# Altium PCB WL-MAIN.PcbDoc (part 1 of 4) (continued)
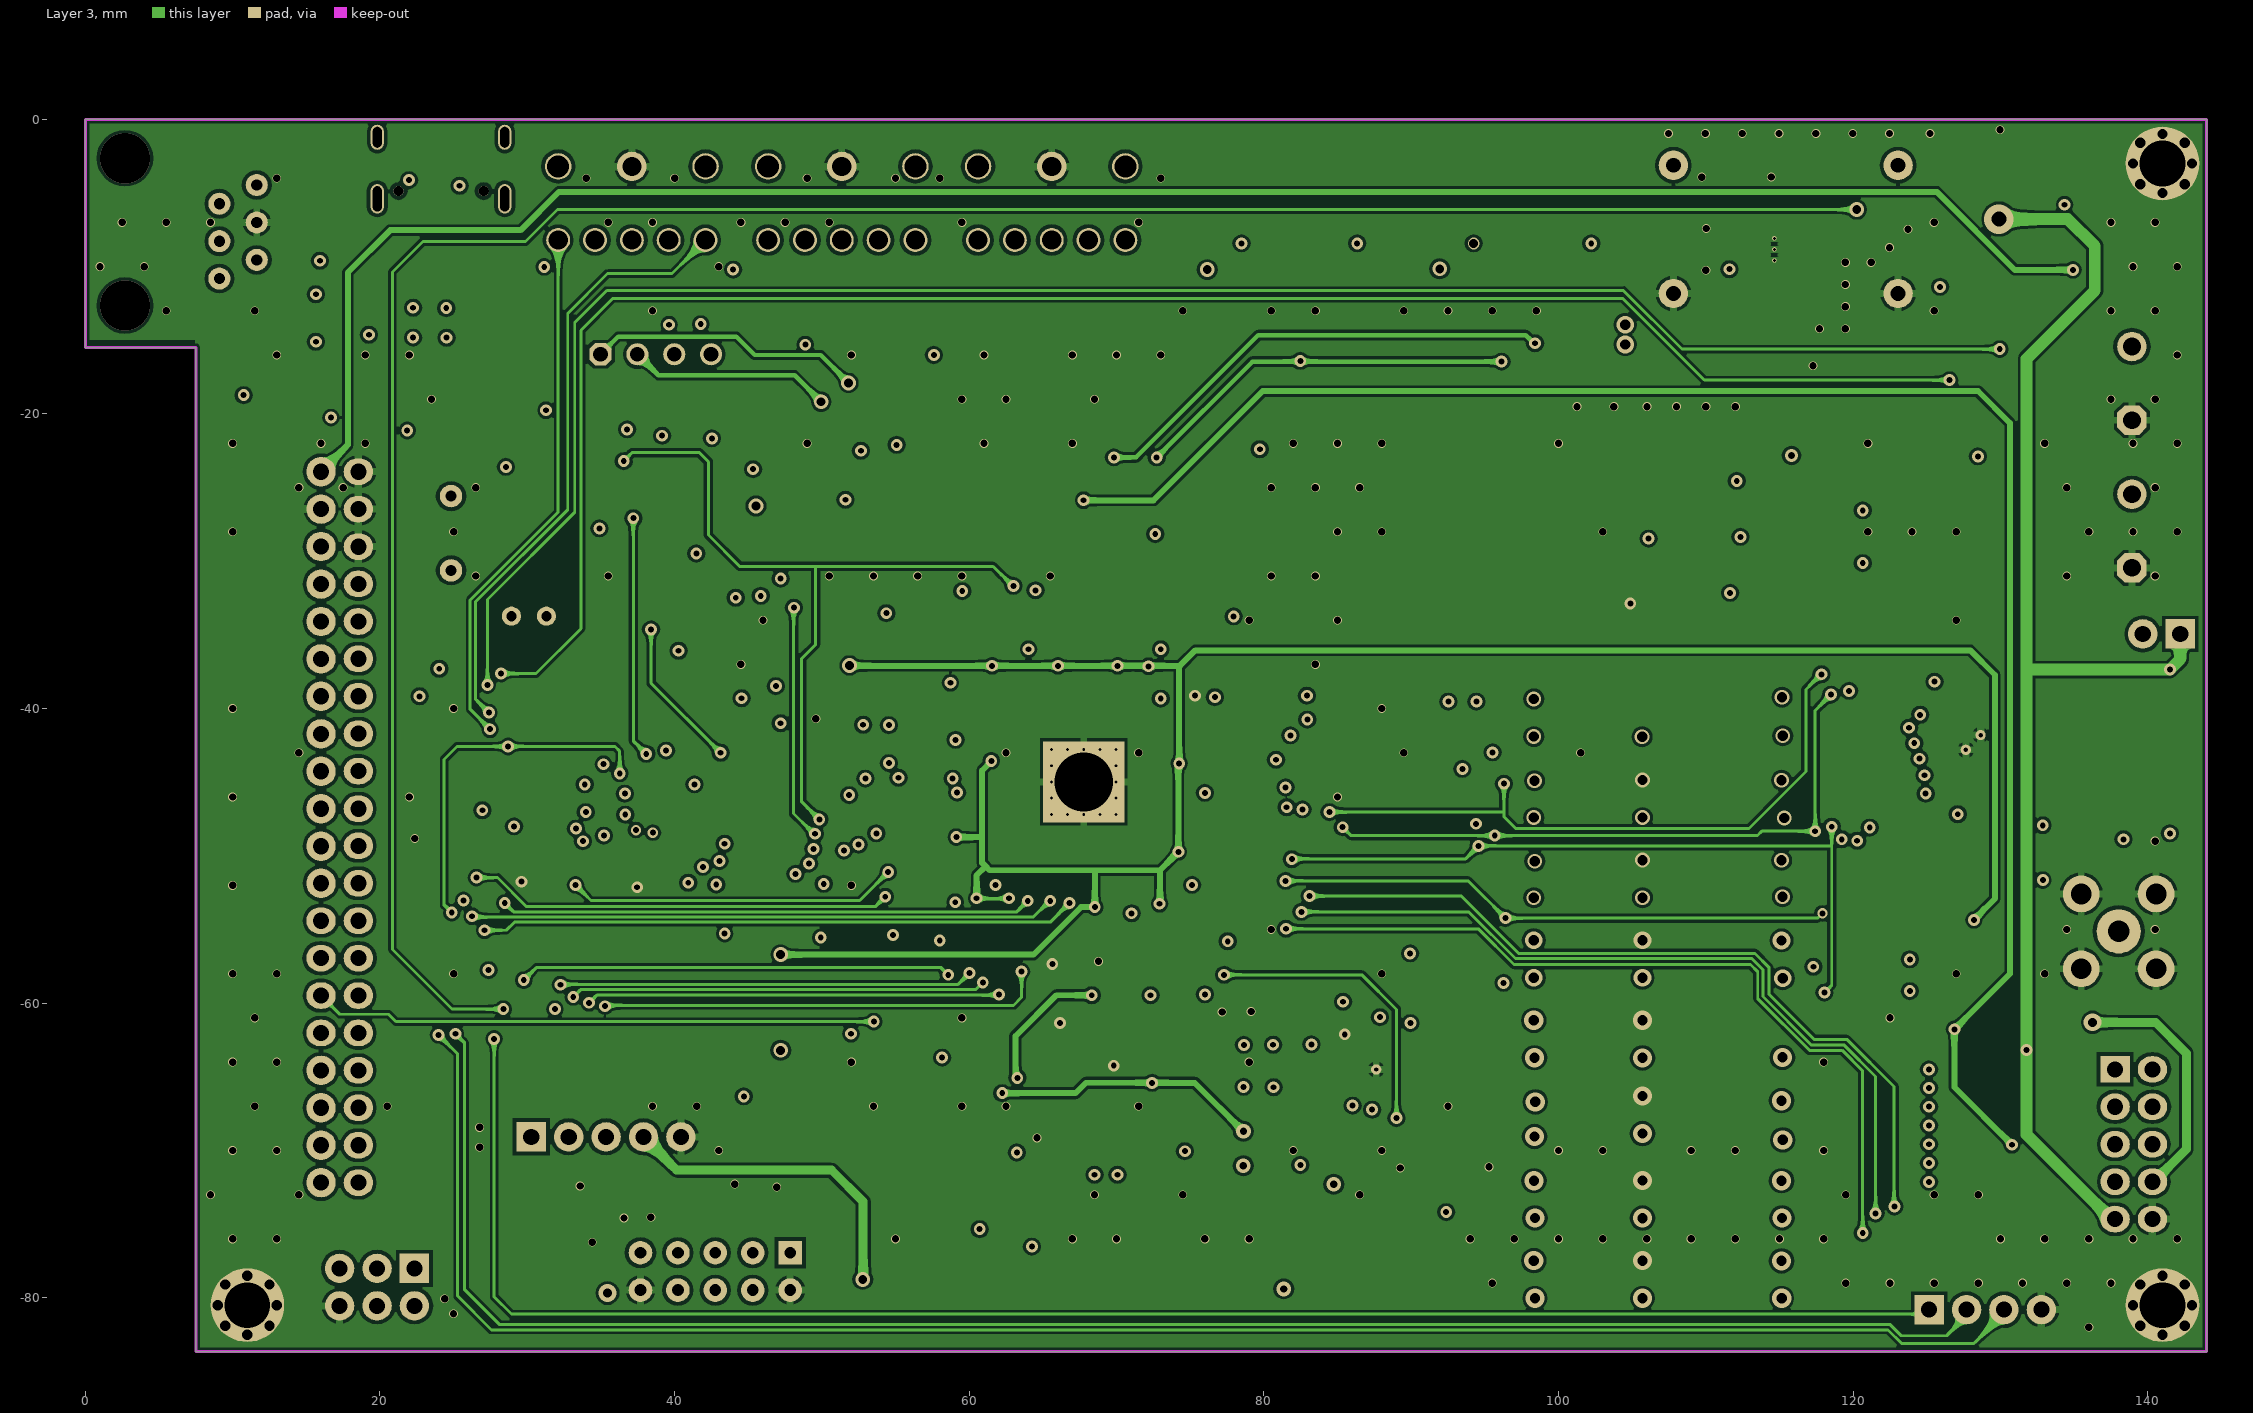
[diagram p3: Layer 3]

## Layer stack, top to bottom
Top Solder: solder mask 0.0102, Solder Resist, Dk 3.5
Top Layer: signal copper 0.035
Prepreg: prepreg 0.2, PP-006, Dk 4.1
Layer 2: signal copper 0.0175
Core: core 1.065, FR-4, Dk 4.8
Layer 3: signal copper 0.0175
Prepreg 2: prepreg 0.2, PP-006, Dk 4.1
Bottom Layer: signal copper 0.035
Bottom Solder: solder mask 0.0102, Solder Resist, Dk 3.5

## Board outline
0,-15.5 0,0 144,0 144,-83.65 7.5,-83.65 7.5,-15.5

## Design rules (kind name [scope] priority, off if disabled: settings)
BoardOutlineClearance [All] p1: gap=0.3 ignorepadtopadclearanceinfootprint=FALSE
Clearance POWER [InNetClass('POWER')] p1: gap=0.3 ignorepadtopadclearanceinfootprint=FALSE except(0: Arc-Hole Track-Hole SMDPad-Hole THPad-Hole Via-Hole Fill-Hole Poly-Hole Region-Hole Text-Hole)
Clearance Clearance_NPTH [All vs InPadClass('NPTH')] p2: gap=0.4 ignorepadtopadclearanceinfootprint=FALSE except(0: Arc-Hole Track-Hole SMDPad-Hole THPad-Hole Via-Hole Fill-Hole Poly-Hole Region-Hole Text-Hole)
Clearance Clearance_MultiLayerPad [OnLayer('Multi-Layer') and IsPad] p3: gap=0.25 ignorepadtopadclearanceinfootprint=FALSE except(0: Arc-Hole Track-Hole SMDPad-Hole THPad-Hole Via-Hole Fill-Hole Poly-Hole Region-Hole Text-Hole)
Clearance Clearance_Polygon [InPolygon] p4: gap=0.2 ignorepadtopadclearanceinfootprint=FALSE except(0: Arc-Hole Track-Hole SMDPad-Hole THPad-Hole Via-Hole Fill-Hole Poly-Hole Region-Hole Text-Hole)
Clearance [All] p5: gap=0.15 ignorepadtopadclearanceinfootprint=FALSE except(0: Arc-Hole Track-Hole SMDPad-Hole THPad-Hole Via-Hole Fill-Hole Poly-Hole Region-Hole Text-Hole)
Height [All] p1: minheight=0 maxheight=60 prefheight=12.7
HoleSize [All] p1: absolutevalues=TRUE maxlimit=5 minlimit=0.025 maxpercent=80.000 minpercent=20.000
HoleToHoleClearance [All] p1: gap=0.2 allowstackedmicrovias=TRUE
MinimumSolderMaskSliver [All] p1: minsoldermaskwidth=0.05
PlaneClearance [All] p1: clearance=0.5
PlaneConnect [All] p1: planeconnectstyle=Relief reliefexpansion=0.5 reliefentries=4 reliefconductorwidth=0.3 reliefairgap=0.2
PolygonConnect PolygonConnect_PowerPAD [All vs InPadClass('PowerPAD')] p1: connectstyle=Relief reliefconductorwidth=1 reliefentries=4 polygonreliefangle="90 Angle" airgapwidth=0.3
PolygonConnect PolygonConnect_PadGND [InNet('GND') and IsPad] p2: connectstyle=Relief reliefconductorwidth=0.5 reliefentries=4 polygonreliefangle="90 Angle" airgapwidth=0.2
PolygonConnect PolygonConnect_Via [IsVia] p3: connectstyle=Direct reliefconductorwidth=0.254 reliefentries=4 polygonreliefangle="90 Angle" airgapwidth=0.254
PolygonConnect [All] p4: connectstyle=Relief reliefconductorwidth=0.6 reliefentries=4 polygonreliefangle="90 Angle" airgapwidth=0.3
RoutingVias [All] p1: holewidth=0.3 width=0.7 viastyle="Through Hole" minholewidth=0.3 minwidth=0.6 maxholewidth=3.2 maxwidth=5
SilkToSilkClearance [All] p1: silktosilkclearance=0
SilkToSolderMaskClearance [IsPad] p1: minsilkscreentomaskgap=0.05 clearancetoexposedcopper=FALSE
SolderMaskExpansion [All] p1: expansion=0.075 istentingtop=FALSE
SupplyNets "Schematic Supply Nets_11" [InNet('+1.2V')] p1: voltage=0.000
SupplyNets "Schematic Supply Nets_10" [InNet('+5VAD')] p2: voltage=0.000
SupplyNets "Schematic Supply Nets_9" [InNet('POWER-ON')] p3: voltage=0.000
SupplyNets "Schematic Supply Nets_8" [InNet('+2.5V')] p4: voltage=0.000
SupplyNets "Schematic Supply Nets_7" [InNet('GND')] p5: voltage=0.000
SupplyNets "Schematic Supply Nets_6" [InNet('+5V')] p6: voltage=0.000
SupplyNets "Schematic Supply Nets_5" [InNet('+8Power')] p7: voltage=0.000
SupplyNets "Schematic Supply Nets_4" [InNet('+3.3DAC')] p8: voltage=0.000
SupplyNets "Schematic Supply Nets_3" [InNet('+5DAC')] p9: voltage=0.000
SupplyNets "Schematic Supply Nets_2" [InNet('+3.3V')] p10: voltage=0.000
SupplyNets "Schematic Supply Nets_1" [InNet('+DAC')] p11: voltage=0.000
SupplyNets "Schematic Supply Nets" [InNet('+3.3VAD')] p12: voltage=0.000
Width [All] p1: maxlimit=10 minlimit=0.15 preferedwidth=0.2
22 further rules are at their usual default settings.

## Classes and differential pairs
component class Designator: C144 C145 C146 C147 C148 C149 C150 C151 C152 C153 C154 C155 C156 C157 C158 C159 C160 C161 C162 C163 C164 C165 C166 C167 C168 C169 C170 C171 C172 C173 C174 C176 C177 C178 C179 C180 C181 C182 C184 C193 C194 C195 L8 L9 L10 L11 L12 L13 L14 L15 L16 L17 L18 L19 L20 L21 L22 L23 L24 L25 L26 L27 L28 L29 L30 L31
component class Designator: C201 C202 C209 D3 J2 R40 R41 R42 R55 R56 R78 R79 R80 U13 U14 X6 X7 X10
component class Designator: C51 C52 C53 C54 C55 C56 C57 C58 C59 C60 C61 C64 C65 C66 C69 C71 C73 C74 C75 C189 C190 C205 C206 FB4 FB5 FB6 J1 J3 R27 R28 R29 R30 R31 R34 R35 R36 R61 R62 U7 U8 X4
component class U_WL-Power: C43 C44 C62 C63 C70 C83 C84 C85 C86 C87 C88 C89 C90 C91 C92 C93 C94 C95 C96 C97 C98 C99 C100 C101 C102 C103 C104 C105 C106 C107 C108 C109 C110 C111 C112 C114 C115 C116 C124 C125 C126 C127 C128 C129 C130 C131 C132 C134 C175 C199 C200 DA2 DA3 DA4 DA5 DA6 DA7 DA8 R32 R33 R37 R50 R51 R52 U19 U20 VD1 VD2 VT1 VT2 X3 X11
component class U_WL-FPGA: C203 C204 FB13 FB14 R9 R10 R59 R60 U2 U3 X2
component class U_WL-DAC904: C28 C29 C30 C31 C32 C33 C38 C39 C40 C41 C42 C45 C46 C47 C48 C49 C50 C118 C119 C120 C121 FB2 FB8 FB15 L5 L6 R15 R16 R17 R18 R19 R20 R21 R22 R24 R25 R26 R54 R57 R58 R72 R73 R74 R75 R77 R81 R82 R83 R84 R85 TR2 TR3 TR4 U5 U6 VT6 VT7
component class U_WL-ATT: C76 C77 C78 C79 C80 C81 C82 C197 C198 FB7 U9
component class U_WL-AD9226: C7 C8 C9 C10 C11 C12 C13 C14 C15 C16 C17 C18 C19 C20 C21 C22 C23 C24 C25 C26 C27 C34 C35 C36 C37 C68 C117 C122 C133 C196 C207 C208 DA9 FB1 FB3 L1 L2 L3 L4 R5 R6 R11 R12 R23 R43 R63 R64 R65 R66 R67 TR1 U4 U15 XG1
component class Designator: C1 C2 C3 C4 C5 C6 C123 C135 C187 D1 D2 FB11 FB12 J4 R1 R2 R3 R4 R7 R8 R76 U1 X1 X8 X12 Z1 Z2

## Components (designator, comment, footprint, x,y, rotation, side; value= is the part's Value field where it differs from the comment)
C1 "22p" CH0805C 22.475,-31.6 r90 bottom
C2 "22p" CH0805C 22.475,-26.6 r90 bottom
C3 "12p" CH0805C 30.05,-27.825 r0 bottom
C4 "12p" CH0805C 30.05,-30.125 r180 bottom
C5 "0.1" CH0805C 21.5,-54.25 r90 bottom
C6 "0.1" CH0805C 31.2,-52.275 r90 bottom
C7 "1000p" CH0805C 82.35,-59.95 r0 top
C8 "1000p" CH0805C 82.325,-57.725 r0 top
C9 "1uF" CH0805C 92.5,-70.575 r0 top
C10 "0.1" CH0805C 86.9,-69.95 r90 top
C11 "0.1" CH0805C 92.5,-61.175 r180 top
C12 "0.1" CH0805C 92.5,-58.9 r180 top
C13 "0.1" CH0805C 72.408,-69.045 r270 bottom
C14 "0.1" CH0805C 66.033,-69.045 r270 bottom
C15 "15p" CH0805C 76.553,-64.238 r90 bottom
C16 "10uF" CH0805C 69.3,-69.772 r180 bottom
C17 "0.1" CH0805C 69.3,-67.402 r180 bottom
C18 "10uF" CH0805C 63.239,-69.106 r90 top
C19 "0.1" CH0805C 63.239,-69.045 r270 bottom
C20 "10uF 10V" TANTAL_A#1 70.041,-61.195 r270 bottom
C21 "0.1" CH0805C 74.667,-69.045 r270 bottom
C22 "0.1" CH0805C 63.275,-64.007 r270 bottom
C23 "0.01" CH0805C 72.408,-60.495 r90 bottom
C24 "0.1" CH0805C 71.533,-75.388 r270 top
C25 "0.1" CH0805C 72.408,-64.332 r270 bottom
C26 "0.01" CH0805C 60.75,-64.007 r270 bottom
C27 "10uF 10V" TANTAL_A#1 66.233,-61.195 r90 bottom
C28 "0.1" CH0805C 100,-15.375 r90 bottom
C29 "1uF" CH0805C 73.658,-19.725 r90 top
C30 "0.1" CH0805C 71.525,-19.725 r90 top
C31 "1uF" CH0805C 77.925,-19.725 r90 top
C32 "0.1" CH0805C 92.011,-15.375 r90 bottom
C33 "0.1" CH0805C 113.375,-30.633 r0 bottom
C34 "1u" CH0805C 57.175,-79.7 r90 top
C35 "10n" CH0805C 63.275,-79.7 r270 top
C36 "10uF 10V" TANTAL_A#2 64.275,-74.9 r90 top
C37 "0.1" CH0805C 51.295,-70.2 r90 top
C38 "22p" CH0805C 92.387,-31.533 r90 top
C39 "200p" CH0805C 94.589,-26.188 r270 top
C40 "22p" CH0805C 92.387,-26.161 r90 top
C41 "0.1" CH0805C 118.325,-25.55 r90 top
C42 "100p" CH0805C 91.462,-22.348 r0 top
C43 "10uF" CH1206C 116.175,-5.766 r180 bottom
C44 "0.1" CH0805C 117.551,-9.127 r270 bottom
C45 "1u" CH0805C 127.475,-31.125 r90 top
C46 "680p" CH0805C 125.3,-31.125 r90 top
C47 "1u" CH0805C 125.3,-25.55 r270 top
C48 "680p" CH0805C 127.475,-25.575 r270 top
C49 "0.1" CH0805C 108.6,-31.825 r180 bottom
C50 "470p" CH0805C 108.6,-27.331 r180 bottom
C51 "1n" CH0805C 54.762,-24.85 r90 top
C52 "1n" CH0805C 50.55,-24.85 r270 top
C53 "1uF" CH0805C 56.869,-24.85 r90 top
C54 "1uF" CH0805C 52.656,-24.85 r90 top
C55 "1uF" CH0805C 58.975,-24.85 r270 top
C56 "220uF" POLIMER-E 65.25,-17.425 r90 top
C57 "0.1" CH0805C 61.25,-24.85 r270 top
C58 "0.1" CH0805C 63.45,-24.85 r270 top
C59 "0.1" CH0805C 65.6,-24.85 r270 top
C60 "10uF 10V" TANTAL_B#1 30.325,-29.525 r180 top
C61 "0.1" CH0805C 29.55,-26.775 r180 top
C62 "3.3n" CH0805C 110.025,-6.255 r180 bottom
C63 "10uF" CH1206C 116.15,-12.43 r0 bottom
C64 "10uF 10V" TANTAL_B#2 38.2,-31.25 r270 bottom
C65 "10uF 10V" TANTAL_B#2 41.525,-31.25 r270 bottom
C66 "0.1" CH0805C 39.225,-25.425 r90 bottom
C67 "0.1" CH0805C 124.825,-52.642 r0 bottom
C68 "0.1" CH0805C 54.305,-73.975 r270 bottom
C69 "0.1" CH0805C 34.9,-25.425 r90 bottom
C70 "0.1" CH0805C 111.678,-12.602 r180 bottom
C71 "1uF 10V" TANTAL_A#1 48.65,-12.175 r90 bottom
C73 "1uF 10V" TANTAL_A#1 36.975,-12.175 r90 bottom
C74 "1uF 10V" TANTAL_A#1 56,-12.175 r90 bottom
C75 "220p" CH0805C 46.025,-12.875 r270 bottom
C76 "0.1" CH0805C 137.325,-48.85 r180 bottom
C77 "100p" CH0805C 132.075,-49.875 r180 top
C78 "0.1" CH0805C 128.15,-49.925 r0 top
C79 "0.1" CH0805C 122.8,-49.1 r90 top
C80 "0.1" CH0805C 119.025,-35.3 r270 top
C81 "0.1" CH0805C 121.275,-35.3 r270 top
C82 "0.1" CH0805C 125.075,-49.1 r90 top
C83 "0.1" CH0805C 70,-40.15 r270 bottom
C84 "0.1" CH0805C 65.75,-40.15 r270 bottom
C85 "0.1" CH0805C 61.425,-40.15 r270 bottom
C86 "0.1" CH0805C 67.856,-40.15 r270 bottom
C87 "0.1" CH0805C 63.569,-40.15 r270 bottom
C88 "0.1" CH0805C 76.062,-15.375 r270 bottom
C89 "0.1" CH0805C 78.45,-15.375 r270 bottom
C90 "0.1" CH0805C 80.837,-15.375 r270 bottom
C91 "0.1" CH0805C 40.679,-72.048 r270 bottom
C92 "0.1" CH0805C 62.675,-47.625 r0 bottom
C93 "0.1" CH0805C 38.369,-72.048 r270 bottom
C94 "0.1" CH0805C 36.059,-72.048 r270 bottom
C95 "0.1" CH0805C 73.15,-41.075 r180 bottom
C96 "0.1" CH0805C 37.333,-39.575 r90 bottom
C97 "0.1" CH0805C 67.856,-50.675 r90 bottom
C98 "0.1" CH0805C 39.492,-39.575 r90 bottom
C99 "0.1" CH0805C 70,-50.675 r90 bottom
C100 "0.1" CH0805C 41.65,-39.575 r90 bottom
C101 "0.1" CH0805C 72.175,-50.675 r90 bottom
C102 "0.1" CH0805C 46.125,-43.675 r270 bottom
C103 "0.1" CH0805C 65.75,-50.625 r90 bottom
C104 "0.1" CH0805C 66.25,-34.125 r90 bottom
C105 "0.1" CH0805C 88.575,-15.375 r270 bottom
C106 "0.1" CH0805C 73.125,-47.625 r180 bottom
C107 "0.1" CH0805C 86.325,-15.375 r270 bottom
C108 "0.1" CH0805C 73.15,-45.425 r180 bottom
C109 "0.1" CH0805C 84.1,-15.375 r270 bottom
C110 "0.1" CH0805C 62.675,-45.425 r0 bottom
C111 "0.1" CH0805C 68.575,-34.125 r90 bottom
C112 "10uF 10V" TANTAL_B#2 27.05,-72.025 r180 bottom
C114 "10uF 10V" TANTAL_B#1 90.807,-5.125 r90 top
C115 "10uF 10V" TANTAL_B#1 86.308,-5.125 r90 top
C116 "10uF 10V" TANTAL_B#1 78.45,-5.125 r90 top
C117 "470p" CH0805C 65.625,-79.7 r270 top
C118 "1u" CH0805C 113.375,-28.341 r0 bottom
C119 "470p" CH0805C 113.375,-26.016 r0 bottom
C120 "0.1" CH0805C 86.734,-31.644 r270 top
C121 "100p" CH0805C 94.589,-31.555 r270 top
C122 "470pF" CH0805C 92.5,-68.25 r180 top
C123 "1uF 10V" TANTAL_A#1 45.425,-49.925 r270 bottom
C124 "10uF 10V" TANTAL_B#1 88.717,-79.7 r270 top
C125 "10uF 10V" TANTAL_B#1 98.75,-5.125 r90 top
C126 "10uF 10V" TANTAL_B#1 94.232,-5.125 r90 top
C127 "10uF 10V" TANTAL_B#1 102.225,-5.125 r90 top
C128 "10uF 10V" TANTAL_B#1 81.35,-79.7 r270 top
C129 "10uF 10V" TANTAL_B#1 85.033,-79.7 r270 top
C130 "10uF 10V" TANTAL_B#1 75.058,-5.125 r90 top
C131 "10uF 10V" TANTAL_B#1 82.883,-5.125 r90 top
C132 "10uF 10V" TANTAL_B#1 92.4,-79.7 r270 top
C133 "0.1" CH0805C 54.305,-78.173 r90 bottom
C134 "10uF 16V" POLIMER-D 109.4,-17.1 r0 top
C135 "0.1" CH0805C 29.025,-56 r90 bottom
C136 "0.1" CH0805C 112.475,-54.15 r180 bottom
C137 "0.1" CH0805C 100.6,-37.725 r90 bottom
C138 "0.1" CH0805C 100.975,-48.6 r0 bottom
C139 "0.1" CH0805C 89.5,-46.158 r180 bottom
C140 "0.1" CH0805C 85.15,-54.025 r270 bottom
C141 "0.1" CH0805C 121.375,-36.35 r0 bottom
C142 "0.1" CH0805C 87.35,-54.025 r270 bottom
C143 "0.1" CH0805C 121.325,-34.15 r0 bottom
C144 "150p" CH0805C 110.55,-72.992 r270 top
C145 "33p" CH0805C 110.55,-62.15 r270 top
C146 "220p" CH0805C 110.55,-78.475 r270 top
C147 "75p" CH0805C 110.55,-67.6 r270 top
C148 "200p" CH0805C 108.275,-72.992 r270 top
C149 "56p" CH0805C 108.275,-62.15 r270 top
C150 "330p" CH0805C 108.275,-78.475 r270 top
C151 "120p" CH0805C 108.275,-67.6 r270 top
C152 "150p" CH0805C 103.225,-72.992 r90 top
C153 "33p" CH0805C 103.275,-62.15 r90 top
C154 "220p" CH0805C 103.225,-78.475 r90 top
C155 "75p" CH0805C 103.225,-67.6 r90 top
C156 "220p" CH0805C 100.975,-72.992 r90 top
C157 "68p" CH0805C 100.975,-62.15 r90 top
C158 "390p" CH0805C 100.975,-78.475 r90 top
C159 "150p" CH0805C 100.975,-67.6 r90 top
C160 "39p" CH0805C 100.975,-45.8 r90 top
C161 "47p" CH0805C 112.8,-51.258 r90 top
C162 "39p" CH0805C 112.8,-45.8 r90 top
C163 "22p" CH0805C 111.1,-40.875 r90 bottom
C164 "22p" CH0805C 110.55,-51.258 r270 top
C165 "22p" CH0805C 110.55,-45.8 r270 top
C166 "22p" CH0805C 113.275,-40.875 r270 bottom
C167 "39p" CH0805C 108.275,-51.258 r270 top
C168 "33p" CH0805C 108.275,-45.8 r270 top
C169 "47p" CH0805C 108.275,-56.692 r270 top
C170 "22p" CH0805C 103.325,-51.258 r90 top
C171 "22p" CH0805C 103.35,-45.8 r90 top
C172 "15p" CH0805C 103.325,-56.692 r90 top
C173 "47p" CH0805C 100.975,-51.258 r90 top
C174 "56p" CH0805C 100.975,-56.692 r90 top
C175 "8.2n" CH0805C 130.125,-13.7 r0 bottom
C176 "56p" CH0805C 112.8,-56.692 r90 top
C177 "15p" CH0805C 110.55,-56.692 r270 top
C178 "91p" CH0805C 112.75,-40.4 r270 top
C179 "15p" CH0805C 110.55,-40.4 r90 top
C180 "91p" CH0805C 108.275,-40.4 r90 top
C181 "22p" CH0805C 100.975,-40.4 r270 top
C182 "22p" CH0805C 103.325,-40.4 r270 top
C183 "0.1" CH0805C 107.125,-37.725 r90 bottom
C184 "220p" CH0805C 112.8,-72.992 r90 top
C185 "0.1" CH0805C 132.95,-69.525 r0 bottom
C186 "0.1" CH0805C 132.025,-72.675 r270 bottom
C187 "1uF 10V" TANTAL_A#2 45.025,-62.4 r270 top
C188 "0.1" CH0805C 139.35,-43 r270 bottom
C189 "22uF 10V" TANTAL_B#2 46.675,-20 r90 bottom
C190 "0.1" CH0805C 41.742,-19 r90 bottom
C191 "0.1" CH0805C 92.5,-56.6 r180 top
C192 "0.1" CH0805C 126.575,-38.225 r180 top
C193 "68p" CH0805C 112.8,-62.15 r90 top
C194 "390p" CH0805C 112.8,-78.475 r90 top
C195 "150p" CH0805C 112.8,-67.6 r90 top
C196 "1000p" CH0805C 84.725,-69.95 r90 top
C197 "0.1" CH0805C 123.45,-35.3 r270 top
C198 "0.1" CH0805C 125.55,-35.3 r270 top
C199 "0.1" CH0805C 35.175,-39.575 r90 bottom
C200 "0.1" CH0805C 63.569,-50.625 r90 bottom
C201 "0.1" CH0805C 15.829,-6.314 r0 bottom
C202 "0.1" CH0805C 11.85,-17.725 r270 top
C203 "0.1" CH0805C 61.7,-55.5 r270 bottom
C204 "0.1" CH0805C 74.95,-34.125 r90 bottom
C205 "0.1" CH0805C 41.45,-25.425 r90 bottom
C206 "10uF 10V" TANTAL_B#2 34.9,-31.25 r270 bottom
C207 "0.1" CH0805C 60.75,-78.173 r270 bottom
C208 "1nf" CH0805C 56.342,-64.706 r90 top
C209 "0.01" CH0805C 15.829,-2.252 r0 bottom
D1 "W25Q16" SOIC-8-1 46.825,-62.725 r0 bottom
D2 "BAT54C" SOT23_132#1 23.05,-46.05 r0 top
D3 "BAV-99" SOT23_132#1 19.3,-20.25 r180 top
DA2 "AMS117-5" SOT223 90.075,-77.1 r270 bottom
DA3 "AMS117-3.3" SOT223 31.525,-77.35 r180 bottom
DA4 "AMS117-3.3" SOT223 82.467,-77.1 r270 bottom
DA5 "AMS117-3.3" SOT223 102.225,-7.2 r90 bottom
DA6 "AMS117-5" SOT223 94.211,-7.2 r90 bottom
DA7 "AMS117-1.2V" SOT223 86.308,-7.2 r90 bottom
DA8 "AMS117-2.5" SOT223 78.45,-7.2 r90 bottom
DA9 "AD9226 LQFP-48" 48-LQFP 70.283,-65.85 r180 top locked
FB1 "Ferrite_Bead" CH0805L 82.425,-69.95 r90 top
FB2 "Ferrite_Bead" CH0805L 102.3,-15.375 r90 bottom
FB3 "Ferrite_Bead" CH0805L 54.9,-79.7 r90 top
FB4 "Ferrite_Bead" CH0805L 67.775,-24.85 r270 top
FB5 "Ferrite_Bead" CH0805L 29.55,-24.65 r180 top
FB6 "Ferrite_Bead" CH0805L 29.55,-22.575 r180 top
FB7 "Ferrite_Bead" CH0805L 128.175,-52.075 r180 top
FB8 "Ferrite_Bead" CH0805L 94.236,-15.375 r90 bottom
FB9 "Ferrite_Bead" CH0805L 105,-37.725 r90 bottom
FB10 "Ferrite_Bead" CH0805L 102.7,-37.725 r90 bottom
FB11 "BLM" CH0805L 33.3,-56 r90 bottom
FB12 "BLM" CH0805L 31.162,-56 r90 bottom
FB13 "BLM" CH0805L 64.275,-55.5 r90 bottom
FB14 "BLM" CH0805L 71.175,-34.125 r270 bottom
FB15 "BLM" CH0805L 115.75,-17.532 r270 top
J1 "SJ1-3525NG" 3.5-stereo 66.1,-4.7 r270 top value=LINE_IN
J2 "SJ1-3525NG" 3.5-stereo 37.6,-4.7 r270 top value=MIC-IN
J3 "PHONE_OUT" 3.5-stereo 51.85,-4.7 r270 top
J4 "BOOT" CH0805R 23.307,-54.847 r270 top
K1 "IM06" IMG06 138.025,-43.05 r180 top
L1 "47nH" L1210 81.95,-62.8 r0 top
L2 "47nH" L1210 81.925,-65.6 r0 top
L3 "100uH" CH0805L 79.612,-71.038 r0 bottom
L4 "100uH" CH0805L 79.612,-68.704 r0 bottom
L5 "220nH" L1210 89.675,-31.294 r90 top
L6 "220nH" L1210 89.675,-26.429 r90 top
L8 "6.2uH" L1210 115.193,-73.23 r90 top
L9 "2.7uH" L1210 115.193,-62.355 r90 top
L10 "12uH" L1210 115.193,-78.667 r90 top
L11 "3.3uH" L1210 115.193,-67.792 r90 top
L12 "6.2uH" L1210 105.75,-73.213 r270 top
L13 "2.7uH" L1210 105.75,-62.338 r270 top
L14 "12uH" L1210 105.75,-78.65 r270 top
L15 "3.3uH" L1210 105.75,-67.475 r270 top
L16 "6.2uH" L1210 98.375,-73.213 r270 top
L17 "2.7uH" L1210 98.375,-62.338 r270 top
L18 "12uH" L1210 98.375,-78.65 r270 top
L19 "3.3uH" L1210 98.375,-67.775 r270 top
L20 "0.68uH" L1210 98.375,-46.025 r270 top
L21 "1.2uH" L1210 115.193,-51.48 r90 top
L22 "0.68uH" L1210 115.193,-46.042 r90 top
L23 "2.2uH" L1210 115.193,-56.917 r90 top
L24 "150nH" L1210 105.725,-40.542 r90 top
L25 "0.68uH" L1210 105.75,-46.025 r270 top
L26 "2.2uH" L1210 105.75,-56.9 r270 top
L27 "1.2uH" L1210 98.375,-51.463 r270 top
L28 "2.2uH" L1210 98.375,-56.9 r270 top
L29 "150nH" L1210 115.2,-40.525 r270 top
L30 "1.2uH" L1210 105.75,-51.463 r270 top
L31 "150nH" L1210 98.375,-40.525 r270 top
R1 "10k" CH0805R 44.325,-67.75 r0 bottom
R2 "22" CH0805R 48.55,-60.725 r90 top
R3 "1k" CH0805R 30.925,-64.25 r0 bottom
R4 "47k" CH0805R 25.55,-43.675 r90 bottom
R5 "1K" CH0805R 64.256,-73.975 r90 bottom
R6 "1K" CH0805R 62.211,-73.975 r270 bottom
R7 "10k" CH0805R 30.925,-62.125 r180 bottom
R8 "200" CH0805R 24.825,-33.85 r270 bottom
R9 "10k" CH0805R 50.675,-43.675 r270 bottom
R10 "10k" CH0805R 48.325,-43.675 r270 bottom
R11 "33" CH0805R 79.612,-62.818 r180 bottom
R12 "33" CH0805R 79.612,-65.685 r180 bottom
R13 "30K" CH0805R 132.3,-34.937 r90 bottom
R14 "4.7K" CH0805R 130.137,-34.937 r270 bottom
R15 "2K" CH0805R 75.792,-19.725 r270 top
R16 "10K" CH0805R 80.05,-19.75 r270 top
R17 "10K" CH0805R 71.55,-15.35 r270 top
R18 "22" CH0805R 112.85,-22.475 r0 top
R19 "100" CH0805R 118.325,-31.125 r270 top
R20 "470" CH0805R 120.65,-31.125 r90 top
R21 "470" CH0805R 120.65,-25.55 r270 top
R22 "5.6" CH0805R 122.975,-31.125 r270 top
R23 "10K" CH0805R 58.602,-73.975 r90 bottom
R24 "1K" CH0805R 108.6,-29.578 r180 bottom
R25 "1K" CH0805R 108.6,-25.083 r0 bottom
R26 "220" CH0805R 106.218,-25.958 r180 top
R27 "100" CH0805R 58.4,-11.475 r270 bottom
R28 "100" CH0805R 48.375,-24.85 r270 top
R29 "10K" CH0805R 39.15,-19 r90 bottom
R30 "10K" CH0805R 39.6,-12.875 r90 bottom
R31 "680" CH0805R 41.742,-12.875 r90 bottom
R32 "100k" CH0805R 110.025,-8.505 r0 bottom
R33 "100k" CH0805R 115.587,-12.271 r0 top
R34 "10K" CH0805R 26.525,-21 r0 bottom
R35 "10K" CH0805R 26.525,-18.75 r0 bottom
R36 "47K" CH0805R 53.375,-11.475 r90 bottom
R37 "*" CH0805R 111.304,-12.271 r0 top
R39 "30K" CH0805R 132.882,-42.975 r270 bottom
R40 "100" CH0805R 9.525,-17.725 r270 top
R41 "47K" CH0805R 19.025,-13.325 r0 top
R42 "47K" CH0805R 17.648,-10.6 r270 bottom
R43 "47K" CH0805R 59.502,-65.606 r0 top
R44 "10k" CH0805R 124.825,-54.833 r0 bottom
R45 "1k" CH0805R 124.825,-50.45 r0 bottom
R46 "1k" CH0805R 124.825,-57.025 r0 bottom
R47 "1k" CH0805R 89.5,-43.9 r180 bottom
R48 "1k" CH0805R 89.5,-48.417 r180 bottom
R49 "10k" CH0805R 89.5,-50.675 r180 bottom
R50 "30k" CH0805R 126.575,-16.7 r270 bottom
R51 "30k" CH0805R 132.5,-3.05 r90 bottom
R52 "30k" CH0805R 127,-3.05 r90 bottom
R53 "4.7K" CH0805R 130.613,-42.95 r90 bottom
R54 "10k" CH0805R 81.125,-27.55 r90 top
R55 "1M" CH0805R 15.829,-4.283 r0 bottom
R56 "5,1k" CH0805R 22.247,-9.243 r90 bottom
R57 "22" CH0805R 112.825,-34.2 r0 top
R58 "5.6" CH0805R 122.975,-25.55 r90 top
R59 "10k" CH0805R 52.975,-43.675 r270 bottom
R60 "10k" CH0805R 77.35,-41.075 r0 bottom
R61 "47K" CH0805R 43.883,-12.875 r90 bottom
R62 "47K" CH0805R 51.125,-11.475 r90 bottom
R63 "47K" CH0805R 56.453,-73.975 r270 bottom
R64 "47K" CH0805R 56.453,-78.173 r90 bottom
R65 "47K" CH0805R 58.602,-78.173 r270 bottom
R66 "*" CH0805R 54.037,-64.706 r270 top
R67 "*" CH0805R 53.524,-70.2 r270 top
R68 "1K" CH0805R 130.904,-56.223 r0 top
R69 "10K" CH0805R 130.904,-58.424 r180 top
R70 "10K" CH0805R 127.02,-60.505 r180 top
R71 "1K" CH0805R 124.825,-59.192 r180 bottom
R72 "1K" CH0805R 118.041,-21.83 r90 bottom
R73 "10K" CH0805R 115.75,-21.83 r270 bottom
R74 "10K" CH0805R 124.204,-21.83 r90 bottom
R75 "1K" CH0805R 126.575,-21.83 r90 bottom
R76 "47k" CH0805R 12.342,-48.374 r270 bottom
R77 "150" CH0805R 98.5,-25.288 r0 top
R78 "5,1k" CH0805R 24.5,-9.243 r90 bottom
R79 "22" CH0805R 24.514,-13.812 r270 bottom